# KiCad board eurovISOn.kicad_pcb (continued)
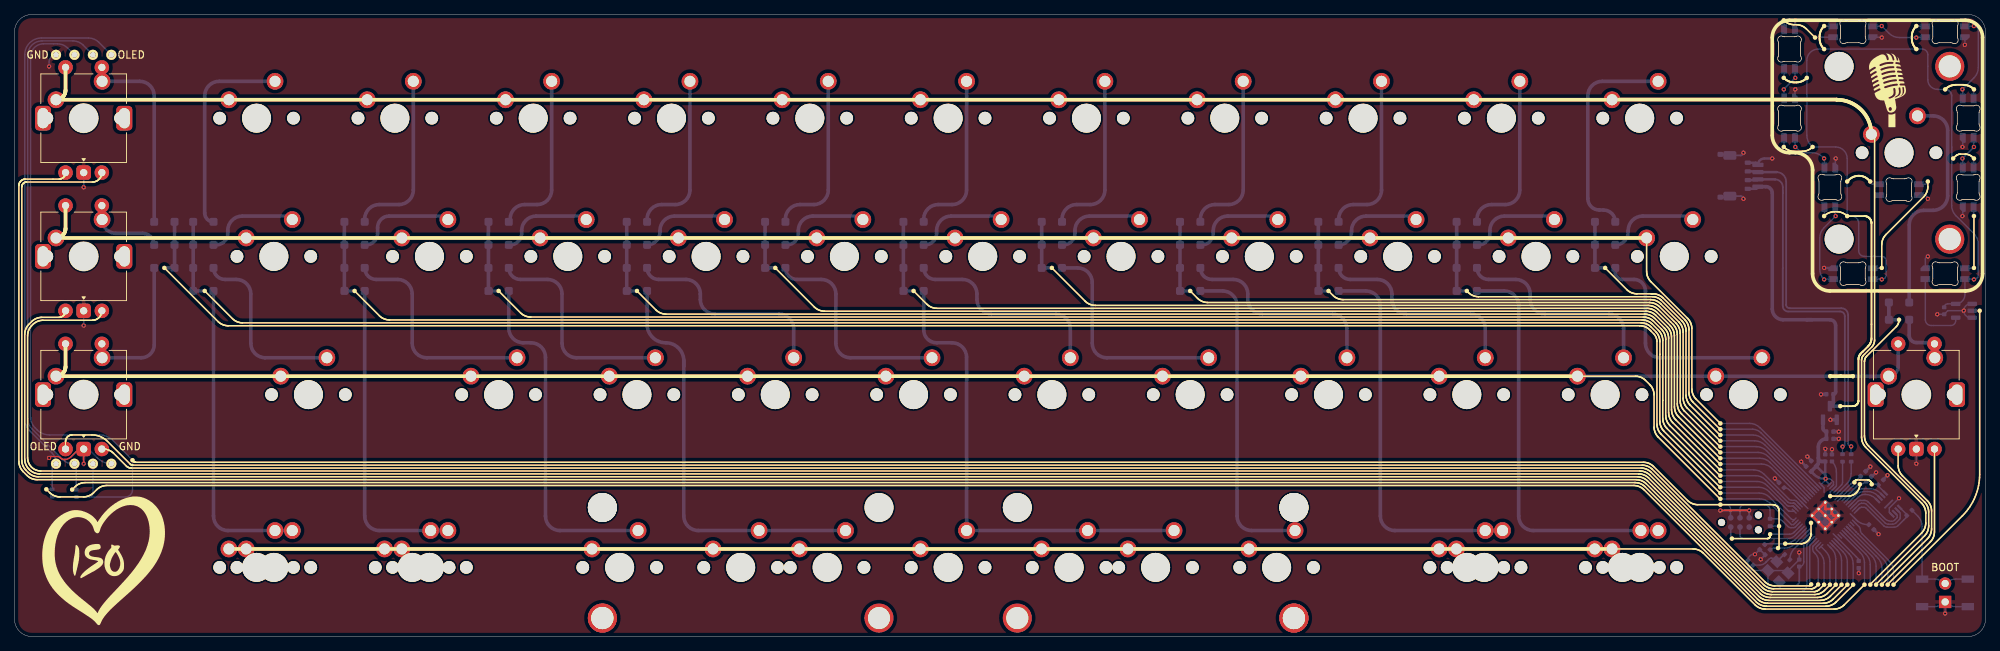
[diagram p0: board, top side]
## Routing (per net, layer and track width the routed paths; a pad name or vN(x,y) marks a point on that pad's centre or on a via; arc(x,y) is an arc through that point) (continued)
  Bottom w0.35: J3.1 239.83,61.7 arc(240.04,61.79) J2.1
  Bottom w0.5: 246.86,43.66 243.59,43.66 arc(242.53,44.1) 242.09,45.15 242.09,61.12 arc(241.84,61.74) 241.21,62 J2.1 ; 246.86,43.66 250.03,43.66 arc(250.59,43.42) 250.82,42.86 250.82,33.7 arc(250.73,33.48) C16.2 250.51,32.23 arc(250.37,31.89) U4.3 v1(251.47,31.75) ; 246.86,43.66 247.62,43.66
GND: length 123.4
  Top w0.2: 7,24.4 6.83,24.4 arc(6.56,24.45) 6.33,24.61 arc(6.11,24.76) 5.84,24.81 4.97,24.81 arc(4.82,24.75) v1(4.76,24.61) ; v1(9.53,23.81) SW6.C 8.87,25.84 7.83,24.8 arc(7.38,24.5) 6.84,24.39
  Top w0.25: v1(238.92,17.37) v1(234.95,17.37)
  Top w0.35: U3.57 U3.57 ; U3.57 U3.57 249.39,17.62 249.44,17.57 U3.57 250.3,16.93 250.56,16.67 U3.57 U3.57 U3.57
  Bottom w0.2: U1.3 269.44,43.94 arc(268.76,44.22) v1(268.47,44.9) ; SW4.C v1(9.53,42.86) ; 249.28,50.76 v1(249.24,50.8) ; v1(257.18,82.55) 257.13,82.59 LED5.4 ; LED1.4 263.18,52.04 arc(263.28,52.29) v1(263.53,52.39) ; v1(250.82,65.88) 250.78,65.84 LED8.4 ; Y1.4 239.51,9.11 arc(238.98,9.33) 238.76,9.85 C3.1 arc(239,11.09) 239.57,11.33 v1(239.71,11.33) ; Y1.4 241.52,9.09 243.93,9.09 arc(244.17,8.99) Y1.2 244.26,9.04 C2.1 v1(245.81,11.58) ; Y1.4 241.51,6.94 arc(241.74,6.37) 242.31,6.13 245.85,6.13 arc(246.56,6.43) 246.86,7.14 246.86,12.62 246.86,12.69 246.88,12.74 U3.19 ; SW2.1 265.84,4.7 arc(265.19,4.26) 264.43,4.11 SW1.1 ; SW2.1 265.97,4.7 arc(266.62,4.26) 267.38,4.11 SW1.1 ; SW2.1 v1(265.91,3.17) ; LED4.4 268.63,81.55 v1(268.62,81.54) ; v1(264.82,44.41) 264.82,44.41 C1.1 266.27,44.9 v1(268.47,44.9) ; v1(268.47,44.9) arc(268.75,45.57) 269.41,45.84 U1.1 ; LED2.4 268.33,57.99 arc(268.32,57.96) v1(268.29,57.94) ; SW6.C 10.19,25.84 11.42,24.61 arc(12.3,24.02) OL2.4 ; SW5.C v1(261.94,23.81) ; LED7.4 245.23,75.36 v1(245.27,75.41) ; LED3.4 268.33,67.51 arc(268.32,67.48) v1(268.29,67.47) ; SW3.C v1(9.53,61.91) ; v1(245.27,84.92) 245.23,84.88 LED6.4 ; LED10.4 263.01,60.84 arc(263.37,60.69) v1(263.53,60.33) ; v1(4.76,78.58) 4.76,79.22 arc(5.04,79.89) OL1.4 ; v1(259.56,19.05) 258.21,17.71 258.21,17.11 IC1.4
  Bottom w0.25: v1(240.51,10.63) 241.12,11.24 C14.2 241.09,11.27 C6.2 240.36,11.99 v1(239.71,11.33) ; v1(238.92,17.37) J5.5 ; J3.MP 236.1,66.45 arc(236.21,66.41) J2.MP 237.75,66.3 arc(238.02,66.41) v1(238.12,66.67) ; J3.MP 236.1,60.55 arc(236.21,60.59) J2.MP 237.75,60.7 arc(238.02,60.59) v1(238.12,60.33)
  Bottom w0.35: C12.2 243.04,21.22 v1(242.46,21.8) ; C5.2 255.84,22.07 v1(256.4,22.63) ; C4.2 250.32,25.81 v1(250.32,25.82) ; C11.2 254,8.73 v1(254.01,8.72) ; v1(255.62,23.43) 254.95,22.76 C15.2 ; J3.4 239.83,65.3 arc(240.04,65.21) J2.4 arc(240.38,65.62) 241.01,65.88 v1(242.09,65.88) ; v1(246.08,24.09) 246.75,23.42 C10.2 ; v1(256.73,14.1) 256.09,14.74 C13.2 ; C8.2 249.39,25.86 v1(249.4,25.86) ; C9.2 247.47,24.25 v1(246.93,24.79) ; LED9.4 250.44,50.8 v1(249.24,50.8) ; v1(257.97,22.22) 257.39,21.64 C18.2
  Bottom w0.5: C17.1 251.26,27.24 v1(251.26,27.25) ; v1(251.27,28.22) 251.25,28.24 C7.2 ; C16.1 248.82,33.39 v1(248.81,33.38) ; U4.1 250.11,29.88 v1(250.11,29.87)
/D_+: length 5
  Bottom w0.2: U3.47 252.38,21.07 arc(252.81,21.71) 252.96,22.48 R4.2
/D_-: length 4.4
  Bottom w0.2: U3.46 251.64,20.89 arc(251.74,21.04) 251.78,21.23 R5.2
/XTAL_O: length 5.4
  Bottom w0.2: 241.23,10.25 241.71,10.72 arc(241.8,10.78) 241.91,10.81 242.03,10.81 arc(242.2,10.77) 242.34,10.68 Y1.1 ; 241.23,10.25 241.16,10.18 arc(240.79,9.93) 240.35,9.84 C3.2 ; 241.23,10.25 241.32,10.34
  Bottom w0.25: Y1.1 243.61,11.21 arc(243.7,11.27) R6.1
/~{USB_BOOT}: length 16.6
  Bottom w0.2: R9.2 262.15,16.59 arc(262.58,15.95) 262.73,15.18 262.73,7.91 264.47,7.91 arc(265.23,7.76) 265.88,7.33 SW2.2 265.93,7.33 arc(266.58,7.76) 267.34,7.91 269.03,7.91
COL0: length 253.7
  Top w0.2: v1(20.64,50.8) 28.02,43.42 arc(28.67,42.98) 29.43,42.83 223.83,42.83 arc(224.6,42.68) 225.25,42.25 225.43,42.07 225.43,42.05 225.82,41.67 225.95,41.5 226.05,41.32 226.13,41.13 226.18,40.92 226.21,40.71 226.21,40.69 226.21,29.29 arc(226.36,28.52) 226.8,27.87 234.83,19.84 234.87,19.84 v1(234.95,19.77)
  Bottom w0.2: v1(234.95,19.77) 240.32,19.77 arc(241.08,19.62) 241.73,19.18 244.7,16.21 arc(244.85,16.11) 245.03,16.08 U3.28
  Bottom w0.5: D1.2 D26.2 v1(20.64,50.8)
COL1: length 249.6
  Top w0.2: v1(234.95,20.57) 234.9,20.57 227.2,28.27 arc(226.76,28.92) 226.61,29.69 226.61,38.89 226.62,38.89 226.62,40.61 arc(226.47,41.38) 226.03,42.03 225.41,42.65 arc(224.77,43.08) 224,43.23 31.42,43.23 arc(30.65,43.38) 30,43.82 v1(26.19,47.62)
  Bottom w0.2: v1(234.95,20.57) 240.24,20.57 arc(241,20.42) 241.65,19.98 244.32,17.31 arc(244.38,17.27) 244.44,17.26 U3.29
  Bottom w0.5: v1(26.19,47.62) D39.2 D2.2
COL2: length 229.4
  Top w0.2: v1(234.95,21.37) 234.9,21.37 227.6,28.67 arc(227.16,29.32) 227.01,30.09 227.01,32.54 227.02,32.55 227.02,40.78 arc(226.87,41.54) 226.43,42.19 225.58,43.05 arc(224.93,43.48) 224.17,43.63 51.65,43.63 arc(50.89,43.78) 50.24,44.22 v1(46.83,47.62)
  Bottom w0.2: 244.98,17.97 U3.30 245.03,17.92 245.01,17.94 244.95,17.97 244.91,17.97 244.34,17.97 arc(244.24,17.99) 244.15,18.05 241.42,20.78 arc(240.77,21.22) 240,21.37 v1(234.95,21.37)
  Bottom w0.5: v1(46.83,47.62) D40.2 D3.2
COL3: length 209.1
  Top w0.2: v1(66.67,47.62) 69.68,44.62 arc(70.33,44.18) 71.1,44.03 224.33,44.03 arc(225.1,43.88) 225.75,43.45 226.83,42.36 arc(227.27,41.71) 227.42,40.94 227.42,30.48 arc(227.57,29.71) 228,29.07 234.9,22.17 v1(234.95,22.17)
  Bottom w0.2: 245.19,18.32 245.2,18.32 U3.31 ; 245.19,18.32 245.08,18.37 245.02,18.37 ; 245.19,18.32 arc(245.14,18.36) 245.07,18.37 245.02,18.37 ; v1(234.95,22.17) 239.77,22.17 arc(240.53,22.02) 241.18,21.58 244.25,18.51 arc(244.41,18.41) 244.6,18.37 245.02,18.37
  Bottom w0.5: D4.2 D41.2 v1(66.67,47.62)
COL4: length 190.4
  Top w0.2: v1(234.95,22.97) 234.9,22.97 228.4,29.47 arc(227.97,30.11) 227.82,30.88 227.82,41.11 arc(227.67,41.87) 227.23,42.52 225.91,43.85 arc(225.26,44.28) 224.5,44.43 89.75,44.43 arc(88.98,44.58) 88.33,45.02 v1(85.72,47.62)
  Bottom w0.2: v1(234.95,22.97) 239.53,22.97 arc(240.3,22.82) 240.95,22.38 244.42,18.91 arc(244.58,18.81) 244.76,18.77 245.17,18.77 arc(245.3,18.74) 245.41,18.67 U3.32 245.6,18.49
  Bottom w0.5: D5.2 D42.2 v1(85.72,47.62)
COL5: length 169.4
  Top w0.2: v1(234.95,23.77) 234.9,23.77 228.8,29.87 arc(228.37,30.51) 228.22,31.28 228.22,41.28 arc(228.07,42.04) 227.63,42.69 226.08,44.25 arc(225.43,44.68) 224.66,44.83 111.57,44.83 arc(110.81,44.98) 110.16,45.42 v1(104.77,50.8)
  Bottom w0.2: 246.16,19.05 242.03,23.18 arc(241.38,23.62) 240.62,23.77 v1(234.95,23.77) ; 246.12,19.1 246.6,18.61
  Bottom w0.5: v1(104.77,50.8) 103.38,50.8 103.38,57.15
COL6: length 152.1
  Top w0.2: v1(123.83,47.62) 125.63,45.82 arc(126.28,45.38) 127.05,45.23 224.83,45.23 arc(225.59,45.08) 226.24,44.65 228.03,42.85 arc(228.47,42.21) 228.62,41.44 228.62,31.68 arc(228.77,30.91) 229.2,30.27 234.9,24.57 v1(234.95,24.57)
  Bottom w0.2: U3.35 241.8,23.98 arc(241.15,24.42) 240.38,24.57 v1(234.95,24.57)
  Bottom w0.5: D7.2 D43.2 v1(123.83,47.62)
COL7: length 131.2
  Top w0.2: v1(234.95,25.37) 234.9,25.37 229.6,30.67 arc(229.17,31.31) 229.02,32.08 229.02,41.61 arc(228.87,42.37) 228.43,43.02 226.41,45.05 arc(225.76,45.48) 224.99,45.63 148.87,45.63 arc(148.11,45.78) 147.46,46.22 v1(142.88,50.8)
  Bottom w0.2: U3.36 241.56,24.78 arc(240.91,25.22) 240.15,25.37 v1(234.95,25.37)
  Bottom w0.5: 141.48,57.15 141.48,50.8 v1(142.88,50.8)
COL8: length 114
  Top w0.2: v1(234.95,26.17) 234.9,26.17 230,31.07 arc(229.57,31.71) 229.42,32.48 229.42,41.77 arc(229.27,42.54) 228.83,43.19 226.57,45.45 arc(225.92,45.88) 225.16,46.03 164.35,46.03 arc(163.58,46.18) 162.93,46.62 v1(161.93,47.62)
  Bottom w0.2: v1(234.95,26.17) 239.91,26.17 arc(240.68,26.02) 241.33,25.58 U3.37
  Bottom w0.5: D9.2 D44.2 v1(161.93,47.62)
COL9: length 95.6
  Top w0.2: v1(180.98,47.62) 181.58,47.02 arc(182.23,46.58) 183,46.43 225.33,46.43 arc(226.09,46.28) 226.74,45.85 229.23,43.35 arc(229.67,42.7) 229.82,41.94 229.82,32.88 arc(229.97,32.11) 230.4,31.47 234.9,26.97 v1(234.95,26.97)
  Bottom w0.2: U3.38 246.85,20.63 ; v1(234.95,26.97) 239.68,26.97 arc(240.44,26.82) 241.09,26.38 247.29,20.18
  Bottom w0.5: D10.2 D45.2 v1(180.98,47.62)
COL10: length 76
  Top w0.2: v1(234.95,27.77) 234.9,27.77 230.8,31.87 arc(230.37,32.51) 230.22,33.28 230.22,42.1 arc(230.07,42.87) 229.63,43.52 226.83,46.32 arc(226.26,46.7) 225.6,46.83 201.65,46.83 arc(200.88,46.98) 200.23,47.42 v1(200.03,47.62)
  Bottom w0.2: U3.39 247.58,20.47 240.86,27.18 arc(240.21,27.62) 239.45,27.77 v1(234.95,27.77)
  Bottom w0.5: D11.2 D46.2 v1(200.03,47.62)
COL11: length 55.3
  Top w0.2: 225.43,47.23 225.43,47.23 225.65,47.23 arc(226.42,47.08) 227.07,46.65 230.03,43.68 arc(230.47,43.03) 230.62,42.27 230.62,33.68 arc(230.77,32.91) 231.2,32.27 234.9,28.57 v1(234.95,28.57) ; 225.43,47.23 225.66,47.23 ; 225.43,47.23 223.47,47.23 arc(222.71,47.38) 222.06,47.82 v1(219.08,50.8)
  Bottom w0.2: U3.40 240.51,28.1 arc(239.99,28.45) 239.38,28.57 v1(234.95,28.57)
  Bottom w0.5: v1(219.08,50.8) D37.2 D12.2
COL12: length 57.7
  Top w0.2: v1(256.39,7.14) 256.39,7.19 263.05,13.85 arc(263.49,14.5) 263.64,15.26 263.64,17.14 arc(263.49,17.91) 263.05,18.56 255.38,26.23 arc(254.95,26.88) 254.79,27.64 254.79,37.89 arc(254.87,38.29) 255.1,38.64 259.16,42.69 arc(259.45,43.13) v1(259.56,43.66)
  Bottom w0.2: U3.6 255.81,11.1 arc(256.24,10.45) 256.39,9.69 v1(256.39,7.14)
  Bottom w0.5: v1(259.56,43.66) D38.2 D13.2
CS: length 10.5
  Bottom w0.2: IC1.1 260.61,16.83 R9.1 arc(260.57,16.48) 260.46,16.31 259.45,15.3 arc(259.2,15.13) 258.9,15.08 257.88,15.08 arc(257.66,15.12) 257.46,15.25 255.01,17.7 arc(254.89,17.78) 254.75,17.81 254.45,17.81 254.37,17.81 254.23,17.77 254.1,17.69 254.04,17.64 U3.56
D_N: length 50.7
  Bottom w0.2: R5.1 251.78,26.17 v1(251.78,26.17)
  Bottom w0.25: 243.56,61.12 243.56,61.92 arc(243.24,62.68) 242.47,63 ; 243.56,61.12 243.56,61.4 ; 243.56,61.12 243.56,50.8 243.55,50.79 243.55,45.54 arc(243.76,45.01) 244.29,44.79 251.43,44.79 arc(251.9,44.6) 252.09,44.14 252.09,26.49 arc(252,26.26) v1(251.78,26.17)
  Bottom w0.35: 242.47,63 J2.2 arc(240.1,62.93) 240.03,62.9 J3.2
D_P: length 51.8
  Bottom w0.2: R4.1 v1(252.96,26.19)
  Bottom w0.25: 242.69,64 242.69,64 242.8,64 arc(243.66,63.57) 244.01,62.68 244.01,45.73 244,45.72 arc(244.14,45.38) 244.48,45.24 251.62,45.24 arc(252.27,44.97) 252.54,44.32 252.54,26.62 arc(252.66,26.32) v1(252.96,26.19)
  Bottom w0.35: 242.69,64 J2.3 arc(240.1,64.07) 240.03,64.1 J3.3
indicators: length 11
  Bottom w0.2: U1.4 267.36,43.52 arc(267.17,43.06) 266.7,42.86 263.98,42.86 arc(263.41,43.09) 263.18,43.66 LED1.3
QSPI_CLK: length 5.3
  Bottom w0.2: U3.52 253.68,19.54 arc(254.17,19.87) 254.74,19.98 255.22,19.98 arc(255.98,19.83) 256.63,19.4 IC1.6
r1: length 27.6
  Bottom w0.5: D1.1 19.24,74.52 arc(18.65,75.93) 17.24,76.52 MX1.2 arc(12.04,76.53) 12.03,76.56 SW3.S1
r2: length 11.1
  Bottom w0.5: SW4.S1 12.03,57.47 MX14.2 arc(12.62,56.12) 13.97,55.56 17.65,55.56 arc(18.77,55.1) D14.1
r3: length 20.8
  Bottom w0.5: SW6.S1 12.03,38.42 MX26.2 17.46,38.42 arc(18.72,38.94) 19.24,40.19 D26.1
r4: length 8.2
  Bottom w0.5: D38.1 260.96,41.51 arc(261.25,40.8) 261.96,40.51 264.26,40.51 arc(264.39,40.46) SW5.S1 264.44,38.46 arc(264.45,38.43) MX38.2
rA: length 311.4
  Top w0.2: v1(251.64,7.14) 251.64,7.1 250.11,5.56 arc(249.46,5.13) 248.69,4.98 241.64,4.98 arc(240.87,5.13) 240.22,5.56 224.76,21.03 arc(224.11,21.46) 223.34,21.61 3.13,21.61 arc(2.36,21.77) 1.72,22.2 1.19,22.73 arc(0.75,23.38) 0.6,24.14 0.6,62.15 arc(0.86,62.78) 1.49,63.04 6.12,63.04 arc(6.76,63.3) SW3.A
  Bottom w0.2: U3.13 251.05,11.9 arc(251.49,11.25) 251.64,10.49 v1(251.64,7.14)
rB: length 313.8
  Top w0.2: v1(250.84,7.14) 250.84,7.1 249.71,5.96 arc(249.06,5.53) 248.29,5.38 241.8,5.38 arc(241.04,5.53) 240.39,5.96 224.92,21.43 arc(224.27,21.86) 223.51,22.01 3.3,22.01 arc(2.53,22.17) 1.88,22.6 1.59,22.9 arc(1.15,23.54) 1,24.31 1,61.98 arc(1.19,62.45) 1.66,62.64 10.73,62.64 arc(11.64,63.02) SW3.B
  Bottom w0.2: v1(250.84,7.14) 250.84,10.72 arc(250.69,11.48) 250.25,12.13 U3.14
rC: length 287.3
  Top w0.2: v1(250.04,7.14) 250.04,7.1 249.31,6.36 arc(248.66,5.93) 247.89,5.78 241.97,5.78 arc(241.2,5.93) 240.55,6.36 225.09,21.83 arc(224.44,22.26) 223.67,22.41 3.46,22.41 arc(2.7,22.57) 2.05,23 1.99,23.06 arc(1.55,23.71) 1.4,24.48 1.4,41.62 arc(1.55,42.38) 1.99,43.03 2.35,43.4 arc(3,43.84) 3.77,43.99 6.12,43.99 arc(6.76,44.25) SW4.A
  Bottom w0.2: U3.15 249.45,11.75 arc(249.89,11.1) 250.04,10.34 v1(250.04,7.14)
rD: length 290.6
  Top w0.2: v1(249.24,7.14) 248.58,6.49 arc(248.24,6.26) 247.83,6.18 242.13,6.18 arc(241.37,6.33) 240.72,6.76 225.25,22.23 arc(224.61,22.66) 223.84,22.81 3.63,22.81 arc(2.34,23.35) 1.8,24.64 1.8,41.45 arc(1.95,42.22) 2.39,42.87 2.52,43 arc(3.17,43.44) 3.93,43.59 10.73,43.59 arc(11.64,43.97) SW4.B
  Bottom w0.2: v1(249.24,7.14) 249.24,10.09 arc(249.09,10.86) 248.65,11.51 248.21,11.95 arc(248.12,12.08) 248.09,12.23 248.09,12.26 U3.16
rE: length 256.8
  Top w0.2: v1(247.46,7.18) 247.26,6.98 242.46,6.98 arc(241.7,7.13) 241.05,7.56 225.59,23.03 arc(224.94,23.46) 224.17,23.61 16.3,23.61 arc(16.1,23.65) 15.94,23.76 12.81,26.89 arc(11.82,27.55) 10.66,27.78 7.94,27.78 arc(7.29,27.51) 7.03,26.87 SW6.A
  Bottom w0.2: U3.18 247.29,12.59 arc(247.27,12.55) 247.26,12.5 247.26,7.66 arc(247.31,7.4) v1(247.46,7.18)
rF: length 250.5
  Top w0.2: v1(248.41,7.17) 248.08,6.84 arc(247.8,6.65) 247.46,6.58 242.3,6.58 arc(241.53,6.73) 240.88,7.16 225.42,22.63 arc(224.77,23.06) 224.01,23.21 16.09,23.21 arc(15.71,23.29) 15.39,23.5 13.64,25.25 arc(12.99,25.69) 12.23,25.84 SW6.B
  Bottom w0.2: v1(248.41,7.17) 248.44,7.2 248.44,10.35 arc(248.33,10.95) 247.99,11.45 247.86,11.58 arc(247.71,11.8) 247.66,12.05 247.66,12.34 247.67,12.38 247.69,12.41 247.69,12.42 247.7,12.43 U3.17
rG: length 33
  Top w0.2: v1(257.19,7.14) 257.19,7.19 263.45,13.45 arc(263.89,14.1) 264.04,14.86 264.04,17.31 arc(263.89,18.07) 263.45,18.72 260.02,22.15 arc(259.59,22.8) 259.44,23.56 SW5.A
  Bottom w0.2: v1(257.19,7.14) 257.19,9.45 arc(257.04,10.22) 256.61,10.87 U3.5 252.41,15.06 252.41,15.06
RGB MCU: length 54.1
  Top w0.2: v1(258.79,7.14) 268.3,16.65 arc(270.05,19.27) 270.66,22.35 v1(270.66,44.89)
  Bottom w0.2: v1(258.79,7.14) 258.79,8.99 arc(258.64,9.75) 258.21,10.4 254.45,14.16 arc(254.29,14.4) 254.23,14.69 arc(254.18,14.93) 254.05,15.13 U3.2 ; U1.2 v1(270.66,44.89)
rH: length 31.4
  Top w0.2: v1(257.99,7.14) 257.99,7.19 262.71,11.91 262.73,11.91 263.85,13.03 arc(264.29,13.68) 264.44,14.44 SW5.B
  Bottom w0.2: v1(257.99,7.14) 257.99,9.22 arc(257.84,9.99) 257.41,10.63 U3.4
ROW0: length 336.1
  Top w0.2: v1(255.59,7.14) 255.59,7.19 262.65,14.25 arc(263.09,14.9) 263.24,15.66 263.24,16.98 arc(263.09,17.74) 262.65,18.39 254.98,26.06 arc(254.55,26.71) 254.39,27.48 254.39,38.1 arc(254.47,38.46) 254.67,38.77 255.79,39.89 arc(256.08,40.33) 256.19,40.85 256.19,68.77 MX13.1
  Top w0.5: SW3.S2 7.03,75.29 arc(6.64,74.36) MX1.1 MX2.1 MX12.1 220.05,74 250.96,74 250.98,73.98 arc(254.35,72.58) MX13.1
  Bottom w0.2: v1(255.59,7.14) 255.59,9.92 arc(255.44,10.69) 255.01,11.34 U3.7
ROW1: length 270.9
  Top w0.2: MX25.1 224.79,50.32 arc(224.94,49.56) 225.38,48.91 230.43,43.85 arc(230.87,43.2) 231.02,42.43 231.02,34.13 arc(231.17,33.36) 231.6,32.71 v1(234.95,29.37)
  Top w0.5: MX25.1 MX15.1 MX14.1 arc(6.64,55.31) 7.03,56.24 SW4.S2
  Bottom w0.2: v1(234.95,29.37) 238.98,29.37 arc(239.74,29.22) 240.39,28.78 U3.41
ROW2: length 304.7
  Top w0.2: MX36.1 223.24,35.88 arc(224,35.73) 224.65,35.29 225.23,34.72 arc(225.66,34.07) 225.81,33.3 225.81,28.89 arc(225.96,28.12) 226.4,27.47 234.9,18.97 v1(234.95,18.97)
  Top w0.5: v1(253.21,35.88) 251.53,35.88 v1(250.07,35.88) ; SW6.S2 7.03,37.19 arc(6.64,36.26) MX26.1 MX27.1 215.11,35.88
  Bottom w0.2: U3.27 245.03,15.42 244.74,15.42 241.78,18.38 arc(241.13,18.82) 240.36,18.97 v1(234.95,18.97)
  Bottom w0.5: v1(253.21,35.88) MX38.1 arc(259.05,36.26) 259.44,37.19 SW5.S2 ; v1(250.07,35.88) 250.07,35.88 MX37.1 MX36.1
ROW3: length 238
  Top w0.2: v1(254.79,7.14) 252.01,4.36 arc(251.36,3.93) 250.6,3.78 241.14,3.78 arc(240.37,3.93) 239.72,4.36 232.61,11.48 arc(231.96,11.91) 231.19,12.06 MX46.1
  Top w0.5: MX47.1 MX46.1
  Bottom w0.2: v1(254.79,7.14) 254.79,10.16 arc(254.64,10.92) 254.21,11.57 U3.8
SCL: length 333.6
  Top w0.2: v1(7.94,20.24) 8.32,20.63 arc(8.97,21.06) 9.74,21.21 223.18,21.21 arc(223.94,21.06) 224.59,20.63 240.06,5.16 arc(240.7,4.73) 241.47,4.58 249.09,4.58 arc(249.86,4.73) 250.51,5.16 252.44,7.1 v1(252.44,7.14)
  Bottom w0.2: v1(7.94,20.24) R10.1 8.5,23.56 arc(8.43,23.74) OL2.2 8.04,23.81 arc(7.27,23.96) 6.63,24.4 2.4,28.63 arc(1.96,29.28) 1.81,30.04 1.81,80.12 arc(2.39,81.51) 3.78,82.09 8.05,82.09 arc(8.81,81.94) 9.46,81.5 OL1.2 ; v1(252.44,7.14) 252.44,10.25 arc(252.29,11.02) 251.85,11.67 U3.12
SD0: length 4.6
  Bottom w0.2: U3.53 253.88,19.17 arc(254.33,19.47) 254.86,19.58 254.91,19.58 arc(255.68,19.43) 256.33,19 IC1.5
SD1: length 9.4
  Bottom w0.2: IC1.2 259.71,17.03 259.71,16.34 arc(259.69,16.24) 259.63,16.16 259.14,15.66 arc(258.93,15.52) 258.68,15.47 258.1,15.47 arc(257.83,15.53) 257.6,15.68 255.06,18.22 arc(254.91,18.32) 254.74,18.35 254.39,18.35 arc(254.2,18.32) 254.05,18.21 U3.55
SD2: length 8.7
  Bottom w0.2: U3.54 253.9,18.63 arc(254.04,18.72) 254.22,18.76 254.79,18.76 arc(255.06,18.7) 255.29,18.55 257.58,16.27 arc(258.01,15.98) 258.52,15.88 arc(258.76,15.92) 258.97,16.06 259.31,16.4 259.31,16.72 IC1.3
SD3: length 6
  Bottom w0.2: U3.51 253.47,19.89 arc(254.01,20.25) 254.64,20.38 254.78,20.38 254.78,20.38 255.52,20.38 255.53,20.38 arc(256.29,20.23) 256.94,19.8 IC1.7
SDA: length 341.3
  Top w0.2: v1(253.24,7.14) 253.24,7.1 250.91,4.76 arc(250.26,4.33) 249.49,4.18 241.3,4.18 arc(240.54,4.33) 239.89,4.76 224.43,20.23 arc(223.78,20.66) 223.01,20.81 12.72,20.81 arc(11.95,20.66) 11.3,20.23 10.9,19.83 arc(10.26,19.4) 9.49,19.24 6.25,19.24 arc(5.49,19.4) 4.84,19.83 v1(4.38,20.29)
  Bottom w0.2: v1(253.24,7.14) 253.24,10.02 arc(253.09,10.78) 252.65,11.43 U3.11 ; OL1.1 11.6,81.9 arc(10.95,82.34) 10.19,82.49 3.71,82.49 arc(2.09,81.81) 1.41,80.19 1.41,29.88 arc(1.56,29.11) 2,28.46 5.13,25.33 arc(5.56,24.68) 5.71,23.91 OL2.1 arc(5.35,23.66) 5.19,23.29 R8.1 4.39,20.28 v1(4.38,20.29)
SWCLK: length 10.5
  Bottom w0.2: J5.4 237.65,13.97 arc(237.79,13.63) 238.12,13.49 244.22,13.49 arc(244.76,13.6) 245.22,13.91 U3.24
SWD: length 12
  Top w0.2: v1(236.54,13.49) 241.41,13.49 arc(241.69,13.61) 241.8,13.88 v1(241.8,14.09)
  Bottom w0.2: J5.2 236.38,13.65 arc(236.43,13.54) v1(236.54,13.49) ; v1(241.8,14.09) 244.5,14.09 arc(244.81,14.16) 245.07,14.33 245.15,14.41 U3.25
XTAL_IN: length 10.4
  Bottom w0.2: U3.20 246.53,12.96 arc(246.46,12.85) 246.44,12.73 246.44,10.26 arc(246.25,9.82) C2.2
  Bottom w0.25: C2.2 245.81,7.59 arc(245.64,7.17) 245.22,6.99 243.62,6.99 arc(243.23,7.16) Y1.3
XTAL_OUT: length 4.5
  Bottom w0.2: 245.89,12.88 U3.21 ; 245.89,12.88 245.18,12.17 arc(244.69,11.43) R6.2 ; 245.89,12.88 245.85,12.85
~{RESET}: length 11.8
  Bottom w0.2: U3.26 245.25,15.08 arc(245.17,15.02) 245.07,15 244.65,15 arc(244.44,15.04) 244.25,15.16 243.47,15.95 arc(243.16,16.15) 242.8,16.23 R1.2 241.79,17.38 arc(241.57,17.92) 241.03,18.14 238.19,18.14 arc(237.81,17.99) 237.65,17.6 J5.3
Net-(D2-K): length 28.9
  Bottom w0.5: MX2.2 28.19,76.52 arc(26.78,75.93) 26.19,74.52 26.19,58.36 arc(26.55,57.51) D2.1
Net-(D3-K): length 24.3
  Bottom w0.5: MX3.2 54.93,61.53 arc(54.34,60.12) 52.93,59.53 50.23,59.53 arc(48.82,58.95) 48.23,57.53 D3.1
Net-(D4-K): length 23.6
  Bottom w0.5: D4.1 68.26,57.15 68.26,57.53 arc(68.85,58.95) 70.26,59.53 71.98,59.53 arc(73.39,60.12) 73.98,61.53 MX4.2
Net-(D5-K): length 23.6
  Bottom w0.5: D5.1 87.12,57.53 arc(87.71,58.95) 89.12,59.53 91.03,59.53 arc(92.44,60.12) 93.03,61.53 MX5.2
Net-(D6-K): length 23.6
  Bottom w0.5: D6.1 106.17,57.53 arc(106.76,58.95) 108.17,59.53 110.08,59.53 arc(111.49,60.12) 112.08,61.53 MX6.2
Net-(D7-K): length 23.6
  Bottom w0.5: MX7.2 131.13,61.53 arc(130.54,60.12) 129.13,59.53 127.23,59.53 arc(125.81,58.95) 125.23,57.53 D7.1
Net-(D8-K): length 23.6
  Bottom w0.5: MX8.2 150.18,61.53 arc(149.59,60.12) 148.18,59.53 146.28,59.53 arc(144.86,58.95) 144.28,57.53 D8.1
Net-(D9-K): length 23.6
  Bottom w0.5: MX9.2 169.23,61.53 arc(168.64,60.12) 167.23,59.53 165.33,59.53 arc(163.91,58.95) 163.33,57.53 D9.1
Net-(D10-K): length 23.6
  Bottom w0.5: D10.1 182.38,57.53 arc(182.96,58.95) 184.38,59.53 186.28,59.53 arc(187.69,60.12) 188.28,61.53 MX10.2
Net-(D11-K): length 23.6
  Bottom w0.5: MX11.2 207.33,61.53 arc(206.74,60.12) 205.33,59.53 203.43,59.53 arc(202.01,58.95) 201.43,57.53 D11.1
Net-(D12-K): length 30.6
  Bottom w0.5: MX12.2 218.69,76.52 arc(217.28,75.93) 216.69,74.52 216.69,60.37 arc(217.16,59.25) 218.28,58.78 218.84,58.78 arc(220,58.3) D12.1
Net-(D13-K): length 32.6
  Bottom w0.5: MX13.2 264.26,71.75 arc(265.67,71.17) 266.26,69.75 266.26,60.74 arc(265.67,59.32) 264.26,58.74 262.96,58.74 arc(261.54,58.15) 260.96,56.74 D13.1
Net-(D15-K): length 13.6
  Bottom w0.5: D15.1 27.78,53.98 arc(28.9,54.44) 29.37,55.56 29.37,55.94 arc(29.95,57.36) 31.37,57.94 37.78,57.94 arc(38.12,57.8) MX15.2
Net-(D16-K): length 14.3
  Bottom w0.5: D16.1 48.42,53.98 arc(49.54,54.44) 50.01,55.56 50.01,56.36 arc(50.47,57.48) 51.59,57.94 59.21,57.94 arc(59.55,57.8) MX16.2
Net-(D17-K): length 13.4
  Bottom w0.5: D17.1 68.26,53.98 arc(69.39,54.44) 69.85,55.56 69.85,55.94 arc(70.44,57.36) 71.85,57.94 78.26,57.94 arc(78.6,57.8) MX17.2
Net-(D18-K): length 13.3
  Bottom w0.5: D18.1 arc(88.38,54.49) 88.9,55.75 88.9,55.94 arc(89.49,57.36) 90.9,57.94 97.31,57.94 arc(97.65,57.8) MX18.2
Net-(D19-K): length 13.2
  Bottom w0.5: MX19.2 arc(116.7,57.8) 116.36,57.94 109.95,57.94 arc(108.54,57.36) 107.95,55.94 107.95,55.56 arc(107.49,54.44) 106.36,53.98
Net-(D20-K): length 13.2
  Bottom w0.5: MX20.2 arc(135.75,57.8) 135.41,57.94 129,57.94 arc(127.59,57.36) 127,55.94 127,55.56 arc(126.54,54.44) 125.41,53.98
Net-(D21-K): length 13.2
  Bottom w0.5: MX21.2 arc(154.8,57.8) 154.46,57.94 148.05,57.94 arc(146.64,57.36) 146.05,55.94 146.05,55.56 arc(145.59,54.44) 144.46,53.98
Net-(D22-K): length 13.2
  Bottom w0.5: 163.51,53.98 arc(164.64,54.44) 165.1,55.56 165.1,55.94 arc(165.69,57.36) 167.1,57.94 173.51,57.94 arc(173.85,57.8) MX22.2
Net-(D23-K): length 13.3
  Bottom w0.5: D23.1 arc(183.63,54.49) 184.15,55.75 184.15,55.94 arc(184.74,57.36) 186.15,57.94 192.56,57.94 arc(192.9,57.8) MX23.2
Net-(D24-K): length 13.4
  Bottom w0.5: D24.1 201.61,53.98 arc(202.74,54.44) 203.2,55.56 203.2,55.94 arc(203.79,57.36) 205.2,57.94 211.61,57.94 arc(211.95,57.8) MX24.2
Net-(D25-K): length 13.3
  Bottom w0.5: MX25.2 arc(231,57.8) 230.66,57.94 224.25,57.94 arc(222.84,57.36) 222.25,55.94 222.25,55.75 arc(221.73,54.49) D25.1
Net-(D27-K): length 25.6
  Bottom w0.5: MX27.2 34.54,38.42 arc(33.13,39) 32.54,40.42 32.54,47.21 arc(31.96,48.63) 30.54,49.21 28.99,49.21 arc(27.87,49.68) D27.1
Net-(D28-K): length 31
  Bottom w0.5: MX28.2 56.77,38.42 arc(55.35,39) 54.77,40.42 54.77,47.21 arc(54.18,48.63) 52.77,49.21 49.82,49.21 arc(48.7,49.68) D28.1
Net-(D29-K): length 30.2
  Bottom w0.5: MX29.2 77.41,38.42 arc(75.99,39) 75.41,40.42 75.41,47.21 arc(74.82,48.63) 73.41,49.21 69.66,49.21 arc(68.54,49.68) D29.1
Net-(D30-K): length 29.3
  Bottom w0.5: MX30.2 107.31,42.45 arc(106.73,43.86) 105.31,44.45 96.46,44.45 arc(95.04,45.04) 94.46,46.45 94.46,47.21 arc(93.87,48.63) 92.46,49.21 88.71,49.21 arc(87.59,49.68) D30.1
Net-(D31-K): length 30.2
  Bottom w0.5: MX31.2 115.12,38.42 arc(113.71,39) 113.12,40.42 113.12,47.21 arc(112.54,48.63) 111.12,49.21 107.76,49.21 arc(106.64,49.68) D31.1
Net-(D32-K): length 29.3
  Bottom w0.5: 145.42,38.42 145.42,42.45 arc(144.83,43.86) 143.42,44.45 134.56,44.45 arc(133.14,45.04) 132.56,46.45 132.56,47.21 arc(131.97,48.63) 130.56,49.21 126.81,49.21 arc(125.69,49.68) D32.1
Net-(D33-K): length 30.9
  Bottom w0.5: D33.1 146.43,50.8 arc(147.85,50.21) 148.43,48.8 148.43,40.42 arc(149.02,39) 150.43,38.42 MX33.2
Net-(D34-K): length 29.3
  Bottom w0.5: MX34.2 183.52,42.45 arc(182.93,43.86) 181.52,44.45 171.86,44.45 arc(170.45,45.04) 169.86,46.45 169.86,47.21 arc(169.28,48.63) 167.86,49.21 164.91,49.21 arc(163.79,49.68) D34.1
Net-(D35-K): length 29.3
  Bottom w0.5: MX35.2 202.56,42.45 arc(201.98,43.86) 200.56,44.45 191.71,44.45 arc(190.29,45.04) 189.71,46.45 189.71,47.21 arc(189.12,48.63) 187.71,49.21 183.96,49.21 arc(182.84,49.68) D35.1
Net-(D36-K): length 29.3
  Bottom w0.5: MX36.2 221.62,42.45 arc(221.03,43.86) 219.62,44.45 210.76,44.45 arc(209.34,45.04) 208.76,46.45 208.76,47.21 arc(208.17,48.63) 206.76,49.21 203.01,49.21 arc(201.89,49.68) D36.1
Net-(D37-K): length 30.6
  Bottom w0.5: MX37.2 226.63,38.42 arc(225.22,39) 224.63,40.42 224.63,47.62 arc(224.17,48.75) 223.04,49.21 221.46,49.21 arc(220.76,49.5) 220.48,50.19 D37.1
Net-(D39-K): length 43
  Bottom w0.5: D39.1 27.41,16.61 arc(27.99,15.19) 29.41,14.61 MX47.2 MX39.2
Net-(D40-K): length 43.6
  Bottom w0.5: MX40.2 MX48.2 50.23,14.61 arc(48.82,15.19) 48.23,16.61 D40.1
Net-(D41-K): length 48.3
  Bottom w0.5: MX41.2 75.13,14.61 arc(73.72,15.19) 73.13,16.61 73.13,38.48 arc(72.54,39.9) 71.13,40.48 70.08,40.48 arc(68.66,41.07) 68.08,42.48 D41.1
Net-(D42-K): length 58.1
  Bottom w0.5: 92.18,37.31 92.18,38.1 ; 92.18,37.31 92.18,16.61 arc(92.77,15.19) 94.18,14.61 MX49.2 MX42.2 ; 92.18,37.31 92.18,38 arc(91.45,39.75) 89.69,40.48 arc(87.88,41.23) 87.12,43.05 D42.1
Net-(D43-K): length 65.9
  Bottom w0.5: D43.1 125.23,42.26 arc(125.74,41) 127,40.48 129.13,40.48 arc(130.54,39.9) 131.13,38.48 MX50.2 MX53.2
Net-(D44-K): length 44.3
  Bottom w0.5: MX44.2 170.38,14.61 arc(168.97,15.19) 168.38,16.61 168.38,45.62 arc(167.79,47.04) 166.38,47.62 D44.1
Net-(D45-K): length 53.9
  Bottom w0.5: D45.1 186.12,47.62 arc(187.53,47.04) 188.12,45.62 188.12,16.61 arc(188.7,15.19) 190.12,14.61 MX51.2 MX45.2
Net-(D46-K): length 56.3
  Bottom w0.5: D46.1 205.17,47.62 arc(206.58,47.04) 207.17,45.62 207.17,16.61 arc(207.75,15.19) 209.17,14.61 MX52.2 MX46.2
Net-(LED1-DOUT): length 9.7
  Top w0.2: v1(269.88,50.8) v1(269.88,57.94)
  Bottom w0.2: LED2.3 269.83,57.99 v1(269.88,57.94) ; v1(269.88,50.8) 269.83,50.76 LED1.2
Net-(LED2-DOUT): length 4.8
  Bottom w0.2: LED2.2 268.33,65.84 v1(268.29,65.88) v1(269.88,67.47) 269.83,67.51 LED3.3
Net-(LED3-DOUT): length 12.4
  Bottom w0.2: LED3.2 268.33,75.36 v1(268.29,75.41) 269.89,77.01 arc(270.32,77.66) 270.48,78.42 270.48,83.54 arc(270.3,83.96) v1(269.88,84.14) 269.83,84.09 LED4.3
Net-(LED4-DOUT): length 7.9
  Bottom w0.2: LED5.3 257.13,84.09 v1(257.18,84.14) 258.18,83.14 arc(258.83,82.7) 259.59,82.55 v1(261.94,82.55) 261.98,82.59 LED4.2
